# KiCad board prrplsattiny20_panel.kicad_pcb (continued)
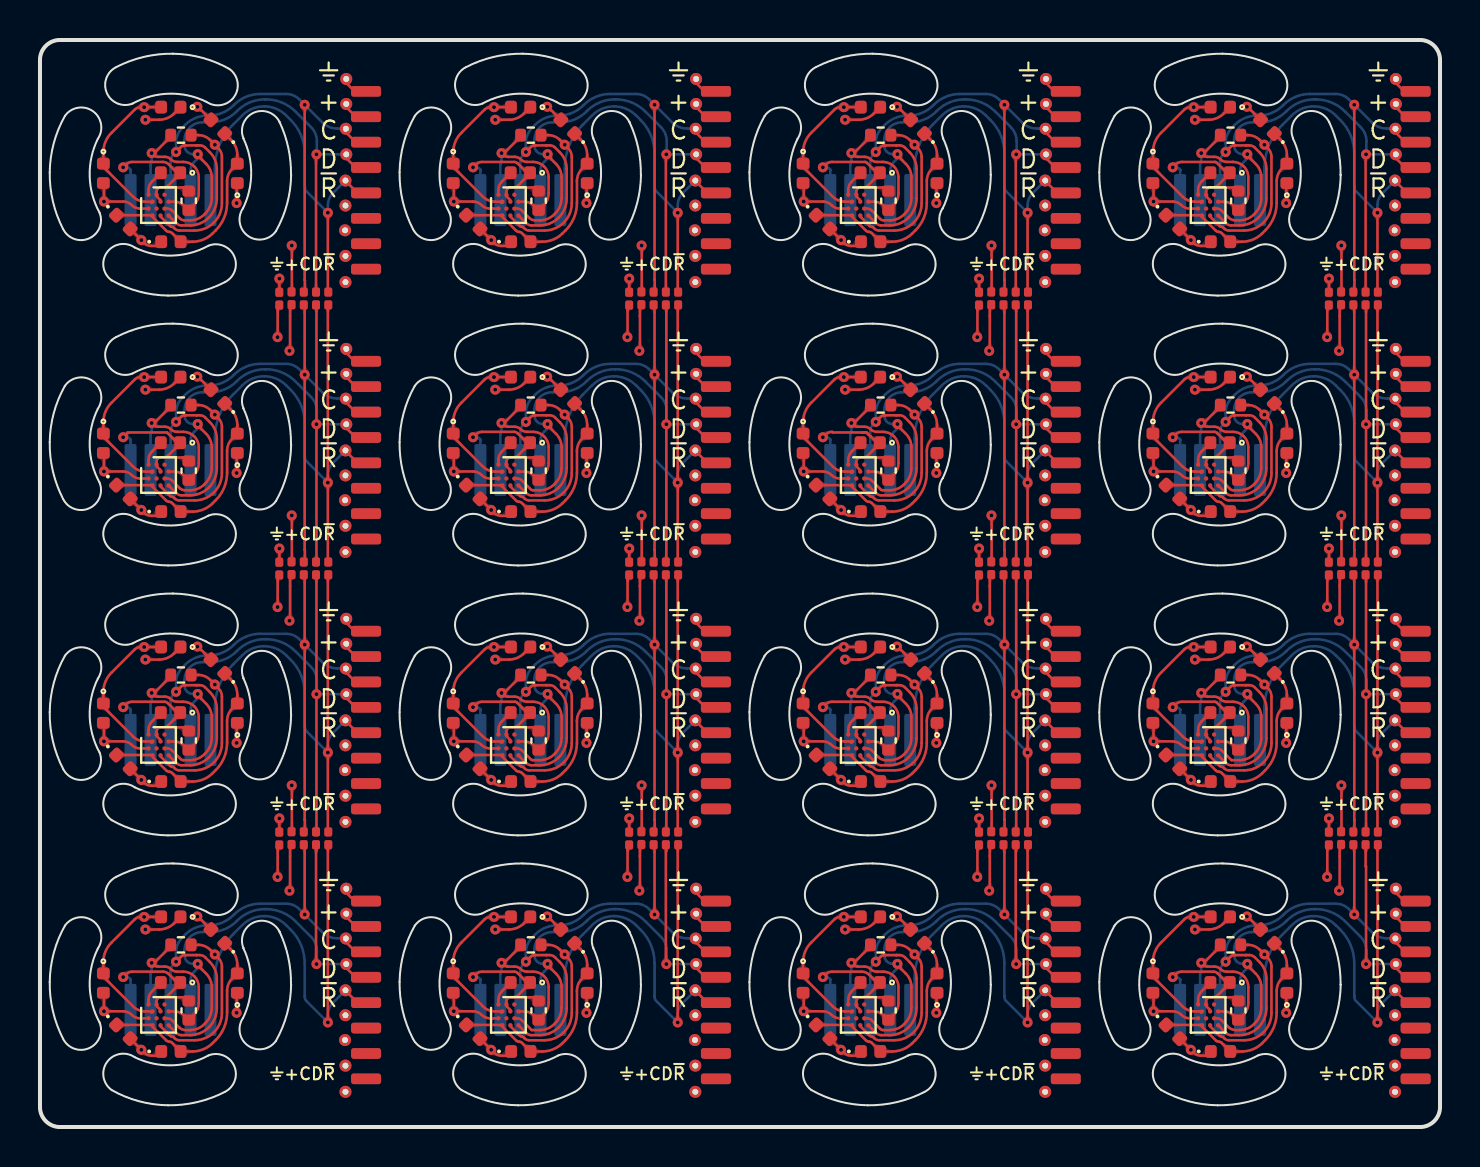
[diagram p0: board, top side]
## Routing (per net, layer and track width the routed paths; a pad name or vN(x,y) marks a point on that pad's centre or on a via; arc(x,y) is an arc through that point) (continued)
/TPIDATA: length 488.7
  Top w0.125: JP1014.2 31.31,48.63 v1(31.33,48.65) ; JP1024.2 66.31,48.63 v1(66.33,48.65) ; JP1019.2 48.81,48.63 v1(48.83,48.65)
  Top w0.127: U1.C5 58.87,5.44 arc(59,5.41) 59.1,5.34 59.44,5 arc(59.61,4.89) 59.81,4.85 60.01,4.85 arc(60.4,4.93) 60.73,5.15 60.76,5.18 arc(61,5.55) 61.09,5.98 61.09,7 arc(61.02,7.36) 60.81,7.67 60.56,7.93 arc(60.54,7.95) 60.53,7.98 arc(60.53,8.01) 60.51,8.04 v1(60.39,8.16) ; v1(7.89,48.66) 8.01,48.54 arc(8.03,48.51) 8.03,48.48 arc(8.04,48.45) 8.06,48.43 8.31,48.17 arc(8.52,47.86) 8.59,47.5 8.59,46.48 arc(8.5,46.05) 8.26,45.68 8.23,45.65 arc(7.9,45.43) 7.51,45.35 7.23,45.35 arc(7.1,45.37) 7,45.44 6.6,45.84 arc(6.5,45.91) 6.37,45.94 U2.C5 ; 67.85,48.43 68.34,47.94 ; 48.83,14.6 48.83,27.5 ; 67.85,34.93 68.34,34.44 ; v1(42.89,35.16) 43.01,35.04 arc(43.03,35.01) 43.03,34.98 arc(43.04,34.95) 43.06,34.93 43.31,34.67 arc(43.52,34.36) 43.59,34 43.59,32.98 arc(43.5,32.55) 43.26,32.18 43.23,32.15 arc(42.9,31.93) 42.51,31.85 42.13,31.85 arc(42.1,31.86) 42.07,31.88 41.6,32.34 arc(41.5,32.41) 41.37,32.44 U8.C5 ; 50.35,48.43 50.84,47.94 ; 31.33,28.1 31.33,41 ; U10.C5 6.37,18.94 arc(6.5,18.91) 6.6,18.84 7.04,18.4 arc(7.1,18.36) 7.16,18.35 7.51,18.35 arc(7.9,18.43) 8.23,18.65 8.26,18.68 arc(8.5,19.05) 8.59,19.48 8.59,20.5 arc(8.52,20.86) 8.31,21.17 8.06,21.43 arc(8.04,21.45) 8.03,21.48 arc(8.03,21.51) 8.01,21.54 v1(7.89,21.66) ; 13.83,14.6 13.83,27.5 ; JP1064.1 66.31,13.05 66.33,13.03 v1(66.33,8.15) ; v1(42.89,8.16) 43.01,8.04 arc(43.03,8.01) 43.03,7.98 arc(43.04,7.95) 43.06,7.93 43.31,7.67 arc(43.52,7.36) 43.59,7 43.59,5.98 arc(43.5,5.55) 43.26,5.18 43.23,5.15 arc(42.9,4.93) 42.51,4.85 42.16,4.85 arc(42.1,4.86) 42.04,4.9 41.6,5.34 arc(41.5,5.41) 41.37,5.44 U16.C5 ; v1(25.39,35.16) 25.51,35.04 arc(25.53,35.01) 25.53,34.98 arc(25.54,34.95) 25.56,34.93 25.81,34.67 arc(26.02,34.36) 26.09,34 26.09,32.98 arc(26,32.55) 25.76,32.18 25.73,32.15 arc(25.4,31.93) 25.01,31.85 24.64,31.85 arc(24.6,31.86) 24.56,31.88 24.1,32.34 arc(24,32.41) 23.87,32.44 U7.C5 ; 15.35,34.93 15.84,34.44 ; v1(25.39,8.16) 25.51,8.04 arc(25.53,8.01) 25.53,7.98 arc(25.54,7.95) 25.56,7.93 25.81,7.67 arc(26.02,7.36) 26.09,7 26.09,5.98 arc(26,5.55) 25.76,5.18 25.73,5.15 arc(25.4,4.93) 25.01,4.85 24.59,4.85 24.1,5.34 arc(24,5.41) 23.87,5.44 U15.C5 ; JP1009.2 13.81,48.63 v1(13.83,48.65) ; 48.83,41 48.83,28.1 ; U14.C5 6.37,5.44 arc(6.5,5.41) 6.6,5.34 6.96,4.98 arc(7.11,4.88) 7.28,4.85 7.51,4.85 arc(7.9,4.93) 8.23,5.15 8.26,5.18 arc(8.5,5.55) 8.59,5.98 8.59,7 arc(8.52,7.36) 8.31,7.67 8.06,7.93 arc(8.04,7.95) 8.03,7.98 arc(8.03,8.01) 8.01,8.04 v1(7.89,8.16) ; 31.33,14.6 31.33,27.5 ; v1(60.39,21.66) 60.51,21.54 arc(60.53,21.51) 60.53,21.48 arc(60.54,21.45) 60.56,21.43 60.81,21.17 arc(61.02,20.86) 61.09,20.5 61.09,19.48 arc(61,19.05) 60.76,18.68 60.73,18.65 arc(60.4,18.43) 60.01,18.35 59.61,18.35 arc(59.59,18.35) 59.58,18.36 59.1,18.84 arc(59,18.91) 58.87,18.94 U13.C5 ; 32.85,48.43 33.34,47.94 ; v1(42.89,21.66) 43.01,21.54 arc(43.03,21.51) 43.03,21.48 arc(43.04,21.45) 43.06,21.43 43.31,21.17 arc(43.52,20.86) 43.59,20.5 43.59,19.48 arc(43.5,19.05) 43.26,18.68 43.23,18.65 arc(42.9,18.43) 42.51,18.35 42.3,18.35 arc(42.11,18.39) 41.94,18.5 41.6,18.84 arc(41.5,18.91) 41.37,18.94 U12.C5 ; v1(60.39,35.16) 60.51,35.04 arc(60.53,35.01) 60.53,34.98 arc(60.54,34.95) 60.56,34.93 60.81,34.67 arc(61.02,34.36) 61.09,34 61.09,32.98 arc(61,32.55) 60.76,32.18 60.73,32.15 arc(60.4,31.93) 60.01,31.85 59.69,31.85 arc(59.6,31.87) 59.52,31.92 59.1,32.34 arc(59,32.41) 58.87,32.44 U9.C5 ; JP1054.1 31.31,8.17 v1(31.33,8.15) ; U5.C5 58.87,45.94 arc(59,45.91) 59.1,45.84 59.45,45.49 arc(59.61,45.39) 59.79,45.35 60.01,45.35 arc(60.4,45.43) 60.73,45.65 60.76,45.68 arc(61,46.05) 61.09,46.48 61.09,47.5 arc(61.02,47.86) 60.81,48.17 60.56,48.43 arc(60.54,48.45) 60.53,48.48 arc(60.53,48.51) 60.51,48.54 v1(60.39,48.66) ; 15.35,21.43 15.84,20.94 ; 50.35,21.43 50.84,20.94 ; U11.C5 23.87,18.94 arc(24,18.91) 24.1,18.84 24.56,18.38 arc(24.6,18.36) 24.64,18.35 25.01,18.35 arc(25.4,18.43) 25.73,18.65 25.76,18.68 arc(26,19.05) 26.09,19.48 26.09,20.5 arc(26.02,20.86) 25.81,21.17 25.56,21.43 arc(25.54,21.45) 25.53,21.48 arc(25.53,21.51) 25.51,21.54 v1(25.39,21.66) ; U4.C5 41.37,45.94 arc(41.5,45.91) 41.6,45.84 42.02,45.43 arc(42.1,45.37) 42.2,45.35 42.51,45.35 arc(42.9,45.43) 43.23,45.65 43.26,45.68 arc(43.5,46.05) 43.59,46.48 43.59,47.5 arc(43.52,47.86) 43.31,48.17 43.06,48.43 arc(43.04,48.45) 43.03,48.48 arc(43.03,48.51) 43.01,48.54 v1(42.89,48.66) ; 50.35,7.93 50.84,7.44 ; 50.35,34.93 50.84,34.44 ; 66.33,28.1 66.33,41 ; U6.C5 6.37,32.44 arc(6.5,32.41) 6.6,32.34 6.99,31.96 arc(7.1,31.88) 7.24,31.85 7.51,31.85 arc(7.9,31.93) 8.23,32.15 8.26,32.18 arc(8.5,32.55) 8.59,32.98 8.59,34 arc(8.52,34.36) 8.31,34.67 8.06,34.93 arc(8.04,34.95) 8.03,34.98 arc(8.03,35.01) 8.01,35.04 v1(7.89,35.16) ; v1(13.83,8.15) 13.81,8.17 JP1049.1 ; 13.83,14 13.83,13.78 ; 66.33,27.5 66.33,14.6 ; v1(48.83,8.15) 48.81,8.17 JP1059.1 ; 32.85,21.43 33.34,20.94 ; v1(25.39,48.66) 25.51,48.54 arc(25.53,48.51) 25.53,48.48 arc(25.54,48.45) 25.56,48.43 25.81,48.17 arc(26.02,47.86) 26.09,47.5 26.09,46.48 arc(26,46.05) 25.76,45.68 25.73,45.65 arc(25.4,45.43) 25.01,45.35 24.77,45.35 arc(24.61,45.38) 24.47,45.48 24.1,45.84 arc(24,45.91) 23.87,45.94 U3.C5 ; 13.83,41 13.83,28.1 ; 48.83,14 48.83,13.78 ; 15.35,7.93 15.84,7.44 ; 67.85,7.93 68.34,7.44 ; 31.33,14 31.33,13.78 ; 32.85,7.93 33.34,7.44 ; 15.35,48.43 15.84,47.94 ; 32.85,34.93 33.34,34.44 ; 67.85,21.43 68.34,20.94 ; 66.33,14 66.33,13.78
  In1.Cu w0.127: v1(42.89,8.16) 42.89,8.05 arc(42.87,7.95) 42.81,7.87 42.64,7.7 ; 60.14,21.2 60.31,21.37 arc(60.37,21.45) 60.39,21.55 v1(60.39,21.66) ; 42.64,21.2 42.81,21.37 arc(42.87,21.45) 42.89,21.55 v1(42.89,21.66) ; 25.14,7.7 25.31,7.87 arc(25.37,7.95) 25.39,8.05 v1(25.39,8.16) ; v1(25.39,21.66) 25.39,21.55 arc(25.37,21.45) 25.31,21.37 25.14,21.2 ; v1(60.39,48.66) 60.39,48.55 arc(60.37,48.45) 60.31,48.37 60.14,48.2 ; v1(25.39,35.16) 25.39,35.05 arc(25.37,34.95) 25.31,34.87 25.14,34.7 ; 42.64,34.7 42.81,34.87 arc(42.87,34.95) 42.89,35.05 v1(42.89,35.16) ; 7.64,7.7 7.81,7.87 arc(7.87,7.95) 7.89,8.05 v1(7.89,8.16) ; 25.14,48.2 25.31,48.37 arc(25.37,48.45) 25.39,48.55 v1(25.39,48.66) ; v1(7.89,35.16) 7.89,35.05 arc(7.87,34.95) 7.81,34.87 7.64,34.7 ; v1(42.89,48.66) 42.89,48.55 arc(42.87,48.45) 42.81,48.37 42.64,48.2 ; 7.64,21.2 7.81,21.37 arc(7.87,21.45) 7.89,21.55 v1(7.89,21.66) ; v1(60.39,35.16) 60.39,35.05 arc(60.37,34.95) 60.31,34.87 60.14,34.7 ; v1(60.39,8.16) 60.39,8.05 arc(60.37,7.95) 60.31,7.87 60.14,7.7 ; v1(7.89,48.66) 7.89,48.55 arc(7.87,48.45) 7.81,48.37 7.64,48.2
  Bottom w0.127: v1(13.83,48.65) J3.4 ; v1(66.33,35.15) J17.4 ; v1(13.83,8.15) J27.4 ; v1(31.33,8.15) J29.4 ; J18.02 60.03,34.33 arc(60.08,34.57) 60.21,34.77 60.31,34.87 arc(60.37,34.95) 60.39,35.05 v1(60.39,35.16) 60.16,35.16 arc(59.99,35.19) 59.86,35.29 arc(59.76,35.42) 59.73,35.59 59.73,35.86 arc(59.8,36.2) 59.99,36.49 arc(60.28,36.68) 60.62,36.75 61.02,36.75 arc(61.73,36.89) 62.33,37.29 62.36,37.33 arc(63,37.75) 63.75,37.9 63.8,37.9 arc(64.6,37.74) 65.28,37.29 66.06,36.51 arc(66.27,36.19) 66.35,35.81 66.35,35.4 ; J10.02 60.03,47.83 arc(60.08,48.07) 60.21,48.27 60.31,48.37 arc(60.37,48.45) 60.39,48.55 v1(60.39,48.66) 60.16,48.66 arc(59.99,48.69) 59.86,48.79 arc(59.76,48.92) 59.73,49.09 59.73,49.36 arc(59.8,49.7) 59.99,49.99 arc(60.28,50.18) 60.62,50.25 61.02,50.25 arc(61.73,50.39) 62.33,50.79 62.36,50.83 arc(63,51.25) 63.75,51.4 63.8,51.4 arc(64.6,51.24) 65.28,50.79 66.06,50.01 arc(66.27,49.69) 66.35,49.31 66.35,48.9 ; v1(13.83,35.15) J11.4 ; v1(66.33,21.65) J25.4 ; v1(48.83,8.15) J31.4 ; v1(48.83,21.65) J23.4 ; J4.02 7.53,47.83 arc(7.58,48.07) 7.71,48.27 7.81,48.37 arc(7.87,48.45) 7.89,48.55 v1(7.89,48.66) 7.66,48.66 arc(7.49,48.69) 7.36,48.79 arc(7.26,48.92) 7.23,49.09 7.23,49.36 arc(7.3,49.7) 7.49,49.99 arc(7.78,50.18) 8.12,50.25 8.52,50.25 arc(9.23,50.39) 9.83,50.79 9.86,50.83 arc(10.5,51.25) 11.25,51.4 11.3,51.4 arc(12.1,51.24) 12.78,50.79 13.56,50.01 arc(13.77,49.69) 13.85,49.31 13.85,48.9 ; 13.85,21.9 13.85,22.31 arc(13.77,22.69) 13.56,23.01 12.78,23.79 arc(12.1,24.24) 11.3,24.4 11.25,24.4 arc(10.5,24.25) 9.86,23.83 9.83,23.79 arc(9.23,23.39) 8.52,23.25 8.12,23.25 arc(7.78,23.18) 7.49,22.99 arc(7.3,22.7) 7.23,22.36 7.23,22.09 arc(7.26,21.92) 7.36,21.79 arc(7.49,21.69) 7.66,21.66 v1(7.89,21.66) 7.89,21.55 arc(7.87,21.45) 7.81,21.37 7.71,21.27 arc(7.58,21.07) 7.53,20.83 J20.02 ; 66.35,8.4 66.35,8.81 arc(66.27,9.19) 66.06,9.51 65.28,10.29 arc(64.6,10.74) 63.8,10.9 63.75,10.9 arc(63,10.75) 62.36,10.33 62.33,10.29 arc(61.73,9.89) 61.02,9.75 60.62,9.75 arc(60.28,9.68) 59.99,9.49 arc(59.8,9.2) 59.73,8.86 59.73,8.59 arc(59.76,8.42) 59.86,8.29 arc(59.99,8.19) 60.16,8.16 v1(60.39,8.16) 60.39,8.05 arc(60.37,7.95) 60.31,7.87 60.21,7.77 arc(60.08,7.57) 60.03,7.33 J2.02 ; 31.35,48.9 31.35,49.31 arc(31.27,49.69) 31.06,50.01 30.28,50.79 arc(29.6,51.24) 28.8,51.4 28.75,51.4 arc(28,51.25) 27.36,50.83 27.33,50.79 arc(26.73,50.39) 26.02,50.25 25.62,50.25 arc(25.28,50.18) 24.99,49.99 arc(24.8,49.7) 24.73,49.36 24.73,49.09 arc(24.76,48.92) 24.86,48.79 arc(24.99,48.69) 25.16,48.66 v1(25.39,48.66) 25.39,48.55 arc(25.37,48.45) 25.31,48.37 25.21,48.27 arc(25.08,48.07) 25.03,47.83 J6.02 ; 48.85,21.9 48.85,22.31 arc(48.77,22.69) 48.56,23.01 47.78,23.79 arc(47.1,24.24) 46.3,24.4 46.25,24.4 arc(45.5,24.25) 44.86,23.83 44.83,23.79 arc(44.23,23.39) 43.52,23.25 43.12,23.25 arc(42.78,23.18) 42.49,22.99 arc(42.3,22.7) 42.23,22.36 42.23,22.09 arc(42.26,21.92) 42.36,21.79 arc(42.49,21.69) 42.66,21.66 v1(42.89,21.66) 42.89,21.55 arc(42.87,21.45) 42.81,21.37 42.71,21.27 arc(42.58,21.07) 42.53,20.83 J24.02 ; J8.02 42.53,47.83 arc(42.58,48.07) 42.71,48.27 42.81,48.37 arc(42.87,48.45) 42.89,48.55 v1(42.89,48.66) 42.66,48.66 arc(42.49,48.69) 42.36,48.79 arc(42.26,48.92) 42.23,49.09 42.23,49.36 arc(42.3,49.7) 42.49,49.99 arc(42.78,50.18) 43.12,50.25 43.52,50.25 arc(44.23,50.39) 44.83,50.79 44.86,50.83 arc(45.5,51.25) 46.25,51.4 46.3,51.4 arc(47.1,51.24) 47.78,50.79 48.56,50.01 arc(48.77,49.69) 48.85,49.31 48.85,48.9 ; J16.02 42.53,34.33 arc(42.58,34.57) 42.71,34.77 42.81,34.87 arc(42.87,34.95) 42.89,35.05 v1(42.89,35.16) 42.66,35.16 arc(42.49,35.19) 42.36,35.29 arc(42.26,35.42) 42.23,35.59 42.23,35.86 arc(42.3,36.2) 42.49,36.49 arc(42.78,36.68) 43.12,36.75 43.52,36.75 arc(44.23,36.89) 44.83,37.29 44.86,37.33 arc(45.5,37.75) 46.25,37.9 46.3,37.9 arc(47.1,37.74) 47.78,37.29 48.56,36.51 arc(48.77,36.19) 48.85,35.81 48.85,35.4 ; J28.02 7.53,7.33 arc(7.58,7.57) 7.71,7.77 7.81,7.87 arc(7.87,7.95) 7.89,8.05 v1(7.89,8.16) 7.66,8.16 arc(7.49,8.19) 7.36,8.29 arc(7.26,8.42) 7.23,8.59 7.23,8.86 arc(7.3,9.2) 7.49,9.49 arc(7.78,9.68) 8.12,9.75 8.52,9.75 arc(9.23,9.89) 9.83,10.29 9.86,10.33 arc(10.5,10.75) 11.25,10.9 11.3,10.9 arc(12.1,10.74) 12.78,10.29 13.56,9.51 arc(13.77,9.19) 13.85,8.81 13.85,8.4 ; v1(31.33,48.65) J5.4 ; J12.02 7.53,34.33 arc(7.58,34.57) 7.71,34.77 7.81,34.87 arc(7.87,34.95) 7.89,35.05 v1(7.89,35.16) 7.66,35.16 arc(7.49,35.19) 7.36,35.29 arc(7.26,35.42) 7.23,35.59 7.23,35.86 arc(7.3,36.2) 7.49,36.49 arc(7.78,36.68) 8.12,36.75 8.52,36.75 arc(9.23,36.89) 9.83,37.29 9.86,37.33 arc(10.5,37.75) 11.25,37.9 11.3,37.9 arc(12.1,37.74) 12.78,37.29 13.56,36.51 arc(13.77,36.19) 13.85,35.81 13.85,35.4 ; 31.35,35.4 31.35,35.81 arc(31.27,36.19) 31.06,36.51 30.28,37.29 arc(29.6,37.74) 28.8,37.9 28.75,37.9 arc(28,37.75) 27.36,37.33 27.33,37.29 arc(26.73,36.89) 26.02,36.75 25.62,36.75 arc(25.28,36.68) 24.99,36.49 arc(24.8,36.2) 24.73,35.86 24.73,35.59 arc(24.76,35.42) 24.86,35.29 arc(24.99,35.19) 25.16,35.16 v1(25.39,35.16) 25.39,35.05 arc(25.37,34.95) 25.31,34.87 25.21,34.77 arc(25.08,34.57) 25.03,34.33 J14.02 ; v1(66.33,48.65) J9.4 ; J22.02 25.03,20.83 arc(25.08,21.07) 25.21,21.27 25.31,21.37 arc(25.37,21.45) 25.39,21.55 v1(25.39,21.66) 25.16,21.66 arc(24.99,21.69) 24.86,21.79 arc(24.76,21.92) 24.73,22.09 24.73,22.36 arc(24.8,22.7) 24.99,22.99 arc(25.28,23.18) 25.62,23.25 26.02,23.25 arc(26.73,23.39) 27.33,23.79 27.36,23.83 arc(28,24.25) 28.75,24.4 28.8,24.4 arc(29.6,24.24) 30.28,23.79 31.06,23.01 arc(31.27,22.69) 31.35,22.31 31.35,21.9 ; v1(31.33,21.65) J21.4 ; v1(13.83,21.65) J19.4 ; 66.35,21.9 66.35,22.31 arc(66.27,22.69) 66.06,23.01 65.28,23.79 arc(64.6,24.24) 63.8,24.4 63.75,24.4 arc(63,24.25) 62.36,23.83 62.33,23.79 arc(61.73,23.39) 61.02,23.25 60.62,23.25 arc(60.28,23.18) 59.99,22.99 arc(59.8,22.7) 59.73,22.36 59.73,22.09 arc(59.76,21.92) 59.86,21.79 arc(59.99,21.69) 60.16,21.66 v1(60.39,21.66) 60.39,21.55 arc(60.37,21.45) 60.31,21.37 60.21,21.27 arc(60.08,21.07) 60.03,20.83 J26.02 ; v1(48.83,48.65) J7.4 ; v1(66.33,8.15) J1.4 ; J30.02 25.03,7.33 arc(25.08,7.57) 25.21,7.77 25.31,7.87 arc(25.37,7.95) 25.39,8.05 v1(25.39,8.16) 25.16,8.16 arc(24.99,8.19) 24.86,8.29 arc(24.76,8.42) 24.73,8.59 24.73,8.86 arc(24.8,9.2) 24.99,9.49 arc(25.28,9.68) 25.62,9.75 26.02,9.75 arc(26.73,9.89) 27.33,10.29 27.36,10.33 arc(28,10.75) 28.75,10.9 28.8,10.9 arc(29.6,10.74) 30.28,10.29 31.06,9.51 arc(31.27,9.19) 31.35,8.81 31.35,8.4 ; v1(31.33,35.15) J13.4 ; v1(48.83,35.15) J15.4 ; J32.02 42.53,7.33 arc(42.58,7.57) 42.71,7.77 42.81,7.87 arc(42.87,7.95) 42.89,8.05 v1(42.89,8.16) 42.66,8.16 arc(42.49,8.19) 42.36,8.29 arc(42.26,8.42) 42.23,8.59 42.23,8.86 arc(42.3,9.2) 42.49,9.49 arc(42.78,9.68) 43.12,9.75 43.52,9.75 arc(44.23,9.89) 44.83,10.29 44.86,10.33 arc(45.5,10.75) 46.25,10.9 46.3,10.9 arc(47.1,10.74) 47.78,10.29 48.56,9.51 arc(48.77,9.19) 48.85,8.81 48.85,8.4
/~{RESET}: length 531.9
  Top w0.127: 14.4,41.01 v1(14.4,32.23) 14.4,28.5 ; 32.81,47.29 33.43,46.67 ; 15.31,20.29 15.93,19.67 ; 31.9,41.01 v1(31.9,32.23) 31.9,28.5 ; 14.4,14.01 v1(14.4,5.23) ; R7.1 25.43,36.11 arc(25.74,36.05) 26.01,35.87 v1(26.25,35.63) 26.42,35.45 arc(26.55,35.26) 26.6,35.03 26.6,32.71 arc(26.5,32.18) 26.2,31.74 arc(25.76,31.44) 25.23,31.34 24.47,31.34 arc(24.35,31.36) 24.24,31.43 24.19,31.49 arc(24.14,31.52) 24.1,31.53 arc(24.05,31.54) 24.01,31.56 23.55,32.02 arc(23.53,32.04) 23.53,32.07 ; v1(66.9,45.73) 66.9,42 ; R4.1 42.93,49.61 arc(43.24,49.55) 43.51,49.37 v1(43.75,49.13) 43.92,48.95 arc(44.05,48.76) 44.1,48.53 44.1,46.21 arc(44,45.68) 43.7,45.24 arc(43.26,44.94) 42.73,44.84 41.97,44.84 arc(41.85,44.86) 41.74,44.93 41.69,44.99 arc(41.64,45.02) 41.6,45.03 arc(41.55,45.04) 41.51,45.06 41.05,45.52 arc(41.03,45.54) 41.03,45.57 ; R2.1 7.93,49.61 arc(8.24,49.55) 8.51,49.37 v1(8.75,49.13) 8.92,48.95 arc(9.05,48.76) 9.1,48.53 9.1,46.21 arc(9,45.68) 8.7,45.24 arc(8.26,44.94) 7.73,44.84 6.97,44.84 arc(6.85,44.86) 6.74,44.93 6.69,44.99 arc(6.64,45.02) 6.6,45.03 arc(6.55,45.04) 6.51,45.06 6.05,45.52 arc(6.03,45.54) 6.03,45.57 ; 66.9,41.01 v1(66.9,32.23) 66.9,28.5 ; v1(31.9,5.23) 31.9,14.01 ; 32.81,6.79 33.43,6.17 ; 67.81,47.29 68.43,46.67 ; R10.1 7.93,22.61 arc(8.24,22.55) 8.51,22.37 v1(8.75,22.13) 8.92,21.95 arc(9.05,21.76) 9.1,21.53 9.1,19.21 arc(9,18.68) 8.7,18.24 arc(8.26,17.94) 7.73,17.84 6.97,17.84 arc(6.85,17.86) 6.74,17.93 6.69,17.99 arc(6.64,18.02) 6.6,18.03 arc(6.55,18.04) 6.51,18.06 6.05,18.52 arc(6.03,18.54) 6.03,18.57 ; 50.31,6.79 50.93,6.17 ; 15.31,33.79 15.93,33.17 ; 31.9,15 v1(31.9,18.73) 31.9,27.51 ; 49.4,27.51 v1(49.4,18.73) 49.4,15 ; R15.1 25.43,9.11 arc(25.74,9.05) 26.01,8.87 v1(26.25,8.63) 26.42,8.45 arc(26.55,8.26) 26.6,8.03 26.6,5.71 arc(26.5,5.18) 26.2,4.74 arc(25.76,4.44) 25.23,4.34 24.47,4.34 arc(24.35,4.36) 24.24,4.43 24.19,4.49 arc(24.14,4.52) 24.1,4.53 arc(24.05,4.54) 24.01,4.56 23.55,5.02 arc(23.53,5.04) 23.53,5.07 ; R1.1 60.43,9.11 arc(60.74,9.05) 61.01,8.87 v1(61.25,8.63) 61.42,8.45 arc(61.55,8.26) 61.6,8.03 61.6,5.71 arc(61.5,5.18) 61.2,4.74 arc(60.76,4.44) 60.23,4.34 59.47,4.34 arc(59.35,4.36) 59.24,4.43 59.19,4.49 arc(59.14,4.52) 59.1,4.53 arc(59.05,4.54) 59.01,4.56 58.55,5.02 arc(58.53,5.04) 58.53,5.07 ; 67.81,6.79 68.43,6.17 ; 49.4,14.01 v1(49.4,5.23) ; 67.81,33.79 68.43,33.17 ; R12.1 42.93,22.61 arc(43.24,22.55) 43.51,22.37 v1(43.75,22.13) 43.92,21.95 arc(44.05,21.76) 44.1,21.53 44.1,19.21 arc(44,18.68) 43.7,18.24 arc(43.26,17.94) 42.73,17.84 41.97,17.84 arc(41.85,17.86) 41.74,17.93 41.69,17.99 arc(41.64,18.02) 41.6,18.03 arc(41.55,18.04) 41.51,18.06 41.05,18.52 arc(41.03,18.54) 41.03,18.57 ; v1(66.9,5.23) 66.9,14.01 ; 66.9,27.51 v1(66.9,18.73) 66.9,15 ; v1(14.4,45.73) 14.4,42 ; R14.1 7.93,9.11 arc(8.24,9.05) 8.51,8.87 v1(8.75,8.63) 8.92,8.45 arc(9.05,8.26) 9.1,8.03 9.1,5.71 arc(9,5.18) 8.7,4.74 arc(8.26,4.44) 7.73,4.34 6.97,4.34 arc(6.85,4.36) 6.74,4.43 6.69,4.49 arc(6.64,4.52) 6.6,4.53 arc(6.55,4.54) 6.51,4.56 6.05,5.02 arc(6.03,5.04) 6.03,5.07 ; R5.1 60.43,49.61 arc(60.74,49.55) 61.01,49.37 v1(61.25,49.13) 61.42,48.95 arc(61.55,48.76) 61.6,48.53 61.6,46.21 arc(61.5,45.68) 61.2,45.24 arc(60.76,44.94) 60.23,44.84 59.47,44.84 arc(59.35,44.86) 59.24,44.93 59.19,44.99 arc(59.14,45.02) 59.1,45.03 arc(59.05,45.04) 59.01,45.06 58.55,45.52 arc(58.53,45.54) 58.53,45.57 ; R16.1 42.93,9.11 arc(43.24,9.05) 43.51,8.87 v1(43.75,8.63) 43.92,8.45 arc(44.05,8.26) 44.1,8.03 44.1,5.71 arc(44,5.18) 43.7,4.74 arc(43.26,4.44) 42.73,4.34 41.97,4.34 arc(41.85,4.36) 41.74,4.43 41.69,4.49 arc(41.64,4.52) 41.6,4.53 arc(41.55,4.54) 41.51,4.56 41.05,5.02 arc(41.03,5.04) 41.03,5.07 ; R3.1 25.43,49.61 arc(25.74,49.55) 26.01,49.37 v1(26.25,49.13) 26.42,48.95 arc(26.55,48.76) 26.6,48.53 26.6,46.21 arc(26.5,45.68) 26.2,45.24 arc(25.76,44.94) 25.23,44.84 24.47,44.84 arc(24.35,44.86) 24.24,44.93 24.19,44.99 arc(24.14,45.02) 24.1,45.03 arc(24.05,45.04) 24.01,45.06 23.55,45.52 arc(23.53,45.54) 23.53,45.57 ; R8.1 42.93,36.11 arc(43.24,36.05) 43.51,35.87 v1(43.75,35.63) 43.92,35.45 arc(44.05,35.26) 44.1,35.03 44.1,32.71 arc(44,32.18) 43.7,31.74 arc(43.26,31.44) 42.73,31.34 41.97,31.34 arc(41.85,31.36) 41.74,31.43 41.69,31.49 arc(41.64,31.52) 41.6,31.53 arc(41.55,31.54) 41.51,31.56 41.05,32.02 arc(41.03,32.04) 41.03,32.07 ; v1(31.9,45.73) 31.9,42 ; 67.81,20.29 68.43,19.67 ; 50.31,20.29 50.93,19.67 ; 14.4,27.51 v1(14.4,18.73) 14.4,15 ; 49.4,41.01 v1(49.4,32.23) 49.4,28.5 ; v1(49.4,45.73) 49.4,42 ; 15.31,47.29 15.93,46.67 ; 15.31,6.79 15.93,6.17 ; R9.1 60.43,36.11 arc(60.74,36.05) 61.01,35.87 v1(61.25,35.63) 61.42,35.45 arc(61.55,35.26) 61.6,35.03 61.6,32.71 arc(61.5,32.18) 61.2,31.74 arc(60.76,31.44) 60.23,31.34 59.47,31.34 arc(59.35,31.36) 59.24,31.43 59.19,31.49 arc(59.14,31.52) 59.1,31.53 arc(59.05,31.54) 59.01,31.56 58.55,32.02 arc(58.53,32.04) 58.53,32.07 ; 32.81,33.79 33.43,33.17 ; 50.31,47.29 50.93,46.67 ; R6.1 7.93,36.11 arc(8.24,36.05) 8.51,35.87 v1(8.75,35.63) 8.92,35.45 arc(9.05,35.26) 9.1,35.03 9.1,32.71 arc(9,32.18) 8.7,31.74 arc(8.26,31.44) 7.73,31.34 6.97,31.34 arc(6.85,31.36) 6.74,31.43 6.69,31.49 arc(6.64,31.52) 6.6,31.53 arc(6.55,31.54) 6.51,31.56 6.05,32.02 arc(6.03,32.04) 6.03,32.07 ; 32.81,20.29 33.43,19.67 ; 50.31,33.79 50.93,33.17 ; R11.1 25.43,22.61 arc(25.74,22.55) 26.01,22.37 v1(26.25,22.13) 26.42,21.95 arc(26.55,21.76) 26.6,21.53 26.6,19.21 arc(26.5,18.68) 26.2,18.24 arc(25.76,17.94) 25.23,17.84 24.47,17.84 arc(24.35,17.86) 24.24,17.93 24.19,17.99 arc(24.14,18.02) 24.1,18.03 arc(24.05,18.04) 24.01,18.06 23.55,18.52 arc(23.53,18.54) 23.53,18.57 ; R13.1 60.43,22.61 arc(60.74,22.55) 61.01,22.37 v1(61.25,22.13) 61.42,21.95 arc(61.55,21.76) 61.6,21.53 61.6,19.21 arc(61.5,18.68) 61.2,18.24 arc(60.76,17.94) 60.23,17.84 59.47,17.84 arc(59.35,17.86) 59.24,17.93 59.19,17.99 arc(59.14,18.02) 59.1,18.03 arc(59.05,18.04) 59.01,18.06 58.55,18.52 arc(58.53,18.54) 58.53,18.57
  Bottom w0.127: J29.5 32.16,6.22 arc(31.97,5.93) 31.9,5.6 v1(31.9,5.23) 30.82,6.31 arc(30.77,6.39) 30.75,6.48 30.75,6.56 arc(30.75,6.57) 30.75,6.57 arc(30.74,6.56) 30.74,6.57 30.74,8.19 arc(30.56,9.1) 30.05,9.86 29.82,10.09 arc(29.31,10.43) 28.72,10.55 arc(28.12,10.43) 27.61,10.09 27.16,9.64 arc(26.48,8.63) 26.25,7.44 26.25,6.08 ; 26.25,46.58 26.25,47.94 arc(26.48,49.13) 27.16,50.14 27.61,50.59 arc(28.12,50.93) 28.72,51.05 arc(29.31,50.93) 29.82,50.59 30.05,50.36 arc(30.56,49.6) 30.74,48.69 30.74,47.07 arc(30.74,47.06) 30.75,47.07 arc(30.75,47.07) 30.75,47.06 30.75,46.98 arc(30.77,46.89) 30.82,46.81 v1(31.9,45.73) 31.9,46.1 arc(31.97,46.43) 32.16,46.72 J5.5 ; 26.25,33.08 26.25,34.44 arc(26.48,35.63) 27.16,36.64 27.61,37.09 arc(28.12,37.43) 28.72,37.55 arc(29.31,37.43) 29.82,37.09 30.05,36.86 arc(30.56,36.1) 30.74,35.19 30.74,33.57 arc(30.74,33.56) 30.75,33.57 arc(30.75,33.57) 30.75,33.56 30.75,33.48 arc(30.77,33.39) 30.82,33.31 v1(31.9,32.23) 31.9,32.6 arc(31.97,32.93) 32.16,33.22 J13.5 ; J7.5 49.66,46.72 arc(49.47,46.43) 49.4,46.1 v1(49.4,45.73) 48.32,46.81 arc(48.27,46.89) 48.25,46.98 48.25,47.06 arc(48.25,47.07) 48.25,47.07 arc(48.24,47.06) 48.24,47.07 48.24,48.69 arc(48.06,49.6) 47.55,50.36 47.32,50.59 arc(46.81,50.93) 46.22,51.05 arc(45.62,50.93) 45.11,50.59 44.66,50.14 arc(43.98,49.13) 43.75,47.94 43.75,46.58 ; 43.75,33.08 43.75,34.44 arc(43.98,35.63) 44.66,36.64 45.11,37.09 arc(45.62,37.43) 46.22,37.55 arc(46.81,37.43) 47.32,37.09 47.55,36.86 arc(48.06,36.1) 48.24,35.19 48.24,33.57 arc(48.24,33.56) 48.25,33.57 arc(48.25,33.57) 48.25,33.56 48.25,33.48 arc(48.27,33.39) 48.32,33.31 v1(49.4,32.23) 49.4,32.6 arc(49.47,32.93) 49.66,33.22 J15.5 ; J21.5 32.16,19.72 arc(31.97,19.43) 31.9,19.1 v1(31.9,18.73) 30.82,19.81 arc(30.77,19.89) 30.75,19.98 30.75,20.06 arc(30.75,20.07) 30.75,20.07 arc(30.74,20.06) 30.74,20.07 30.74,21.69 arc(30.56,22.6) 30.05,23.36 29.82,23.59 arc(29.31,23.93) 28.72,24.05 arc(28.12,23.93) 27.61,23.59 27.16,23.14 arc(26.48,22.13) 26.25,20.94 26.25,19.58 ; 61.25,46.58 61.25,47.94 arc(61.48,49.13) 62.16,50.14 62.61,50.59 arc(63.12,50.93) 63.72,51.05 arc(64.31,50.93) 64.82,50.59 65.05,50.36 arc(65.56,49.6) 65.74,48.69 65.74,47.07 arc(65.74,47.06) 65.74,47.07 arc(65.75,47.07) 65.75,47.06 65.75,46.98 arc(65.77,46.89) 65.82,46.81 v1(66.9,45.73) 66.9,46.1 arc(66.97,46.43) 67.16,46.72 J9.5 ; J23.5 49.66,19.72 arc(49.47,19.43) 49.4,19.1 v1(49.4,18.73) 48.32,19.81 arc(48.27,19.89) 48.25,19.98 48.25,20.06 arc(48.25,20.07) 48.25,20.07 arc(48.24,20.06) 48.24,20.07 48.24,21.69 arc(48.06,22.6) 47.55,23.36 47.32,23.59 arc(46.81,23.93) 46.22,24.05 arc(45.62,23.93) 45.11,23.59 44.66,23.14 arc(43.98,22.13) 43.75,20.94 43.75,19.58 ; J19.5 14.66,19.72 arc(14.47,19.43) 14.4,19.1 v1(14.4,18.73) 13.32,19.81 arc(13.27,19.89) 13.25,19.98 13.25,20.06 arc(13.25,20.07) 13.25,20.07 arc(13.24,20.06) 13.24,20.07 13.24,21.69 arc(13.06,22.6) 12.55,23.36 12.32,23.59 arc(11.81,23.93) 11.22,24.05 arc(10.62,23.93) 10.11,23.59 9.66,23.14 arc(8.98,22.13) 8.75,20.94 8.75,19.58 ; 61.25,6.08 61.25,7.44 arc(61.48,8.63) 62.16,9.64 62.61,10.09 arc(63.12,10.43) 63.72,10.55 arc(64.31,10.43) 64.82,10.09 65.05,9.86 arc(65.56,9.1) 65.74,8.19 65.74,6.57 arc(65.74,6.56) 65.74,6.57 arc(65.75,6.57) 65.75,6.56 65.75,6.48 arc(65.77,6.39) 65.82,6.31 v1(66.9,5.23) 66.9,5.6 arc(66.97,5.93) 67.16,6.22 J1.5 ; J3.5 14.66,46.72 arc(14.47,46.43) 14.4,46.1 v1(14.4,45.73) 13.32,46.81 arc(13.27,46.89) 13.25,46.98 13.25,47.06 arc(13.25,47.07) 13.25,47.07 arc(13.24,47.06) 13.24,47.07 13.24,48.69 arc(13.06,49.6) 12.55,50.36 12.32,50.59 arc(11.81,50.93) 11.22,51.05 arc(10.62,50.93) 10.11,50.59 9.66,50.14 arc(8.98,49.13) 8.75,47.94 8.75,46.58 ; J25.5 67.16,19.72 arc(66.97,19.43) 66.9,19.1 v1(66.9,18.73) 65.82,19.81 arc(65.77,19.89) 65.75,19.98 65.75,20.06 arc(65.75,20.07) 65.74,20.07 arc(65.74,20.06) 65.74,20.07 65.74,21.69 arc(65.56,22.6) 65.05,23.36 64.82,23.59 arc(64.31,23.93) 63.72,24.05 arc(63.12,23.93) 62.61,23.59 62.16,23.14 arc(61.48,22.13) 61.25,20.94 61.25,19.58 ; 8.75,6.08 8.75,7.44 arc(8.98,8.63) 9.66,9.64 10.11,10.09 arc(10.62,10.43) 11.22,10.55 arc(11.81,10.43) 12.32,10.09 12.55,9.86 arc(13.06,9.1) 13.24,8.19 13.24,6.57 arc(13.24,6.56) 13.25,6.57 arc(13.25,6.57) 13.25,6.56 13.25,6.48 arc(13.27,6.39) 13.32,6.31 v1(14.4,5.23) 14.4,5.6 arc(14.47,5.93) 14.66,6.22 J27.5 ; 43.75,6.08 43.75,7.44 arc(43.98,8.63) 44.66,9.64 45.11,10.09 arc(45.62,10.43) 46.22,10.55 arc(46.81,10.43) 47.32,10.09 47.55,9.86 arc(48.06,9.1) 48.24,8.19 48.24,6.57 arc(48.24,6.56) 48.25,6.57 arc(48.25,6.57) 48.25,6.56 48.25,6.48 arc(48.27,6.39) 48.32,6.31 v1(49.4,5.23) 49.4,5.6 arc(49.47,5.93) 49.66,6.22 J31.5 ; J17.5 67.16,33.22 arc(66.97,32.93) 66.9,32.6 v1(66.9,32.23) 65.82,33.31 arc(65.77,33.39) 65.75,33.48 65.75,33.56 arc(65.75,33.57) 65.74,33.57 arc(65.74,33.56) 65.74,33.57 65.74,35.19 arc(65.56,36.1) 65.05,36.86 64.82,37.09 arc(64.31,37.43) 63.72,37.55 arc(63.12,37.43) 62.61,37.09 62.16,36.64 arc(61.48,35.63) 61.25,34.44 61.25,33.08 ; J11.5 14.66,33.22 arc(14.47,32.93) 14.4,32.6 v1(14.4,32.23) 13.32,33.31 arc(13.27,33.39) 13.25,33.48 13.25,33.56 arc(13.25,33.57) 13.25,33.57 arc(13.24,33.56) 13.24,33.57 13.24,35.19 arc(13.06,36.1) 12.55,36.86 12.32,37.09 arc(11.81,37.43) 11.22,37.55 arc(10.62,37.43) 10.11,37.09 9.66,36.64 arc(8.98,35.63) 8.75,34.44 8.75,33.08
